# Allegro board sk_s7g2 rev3.0.brd (continued)
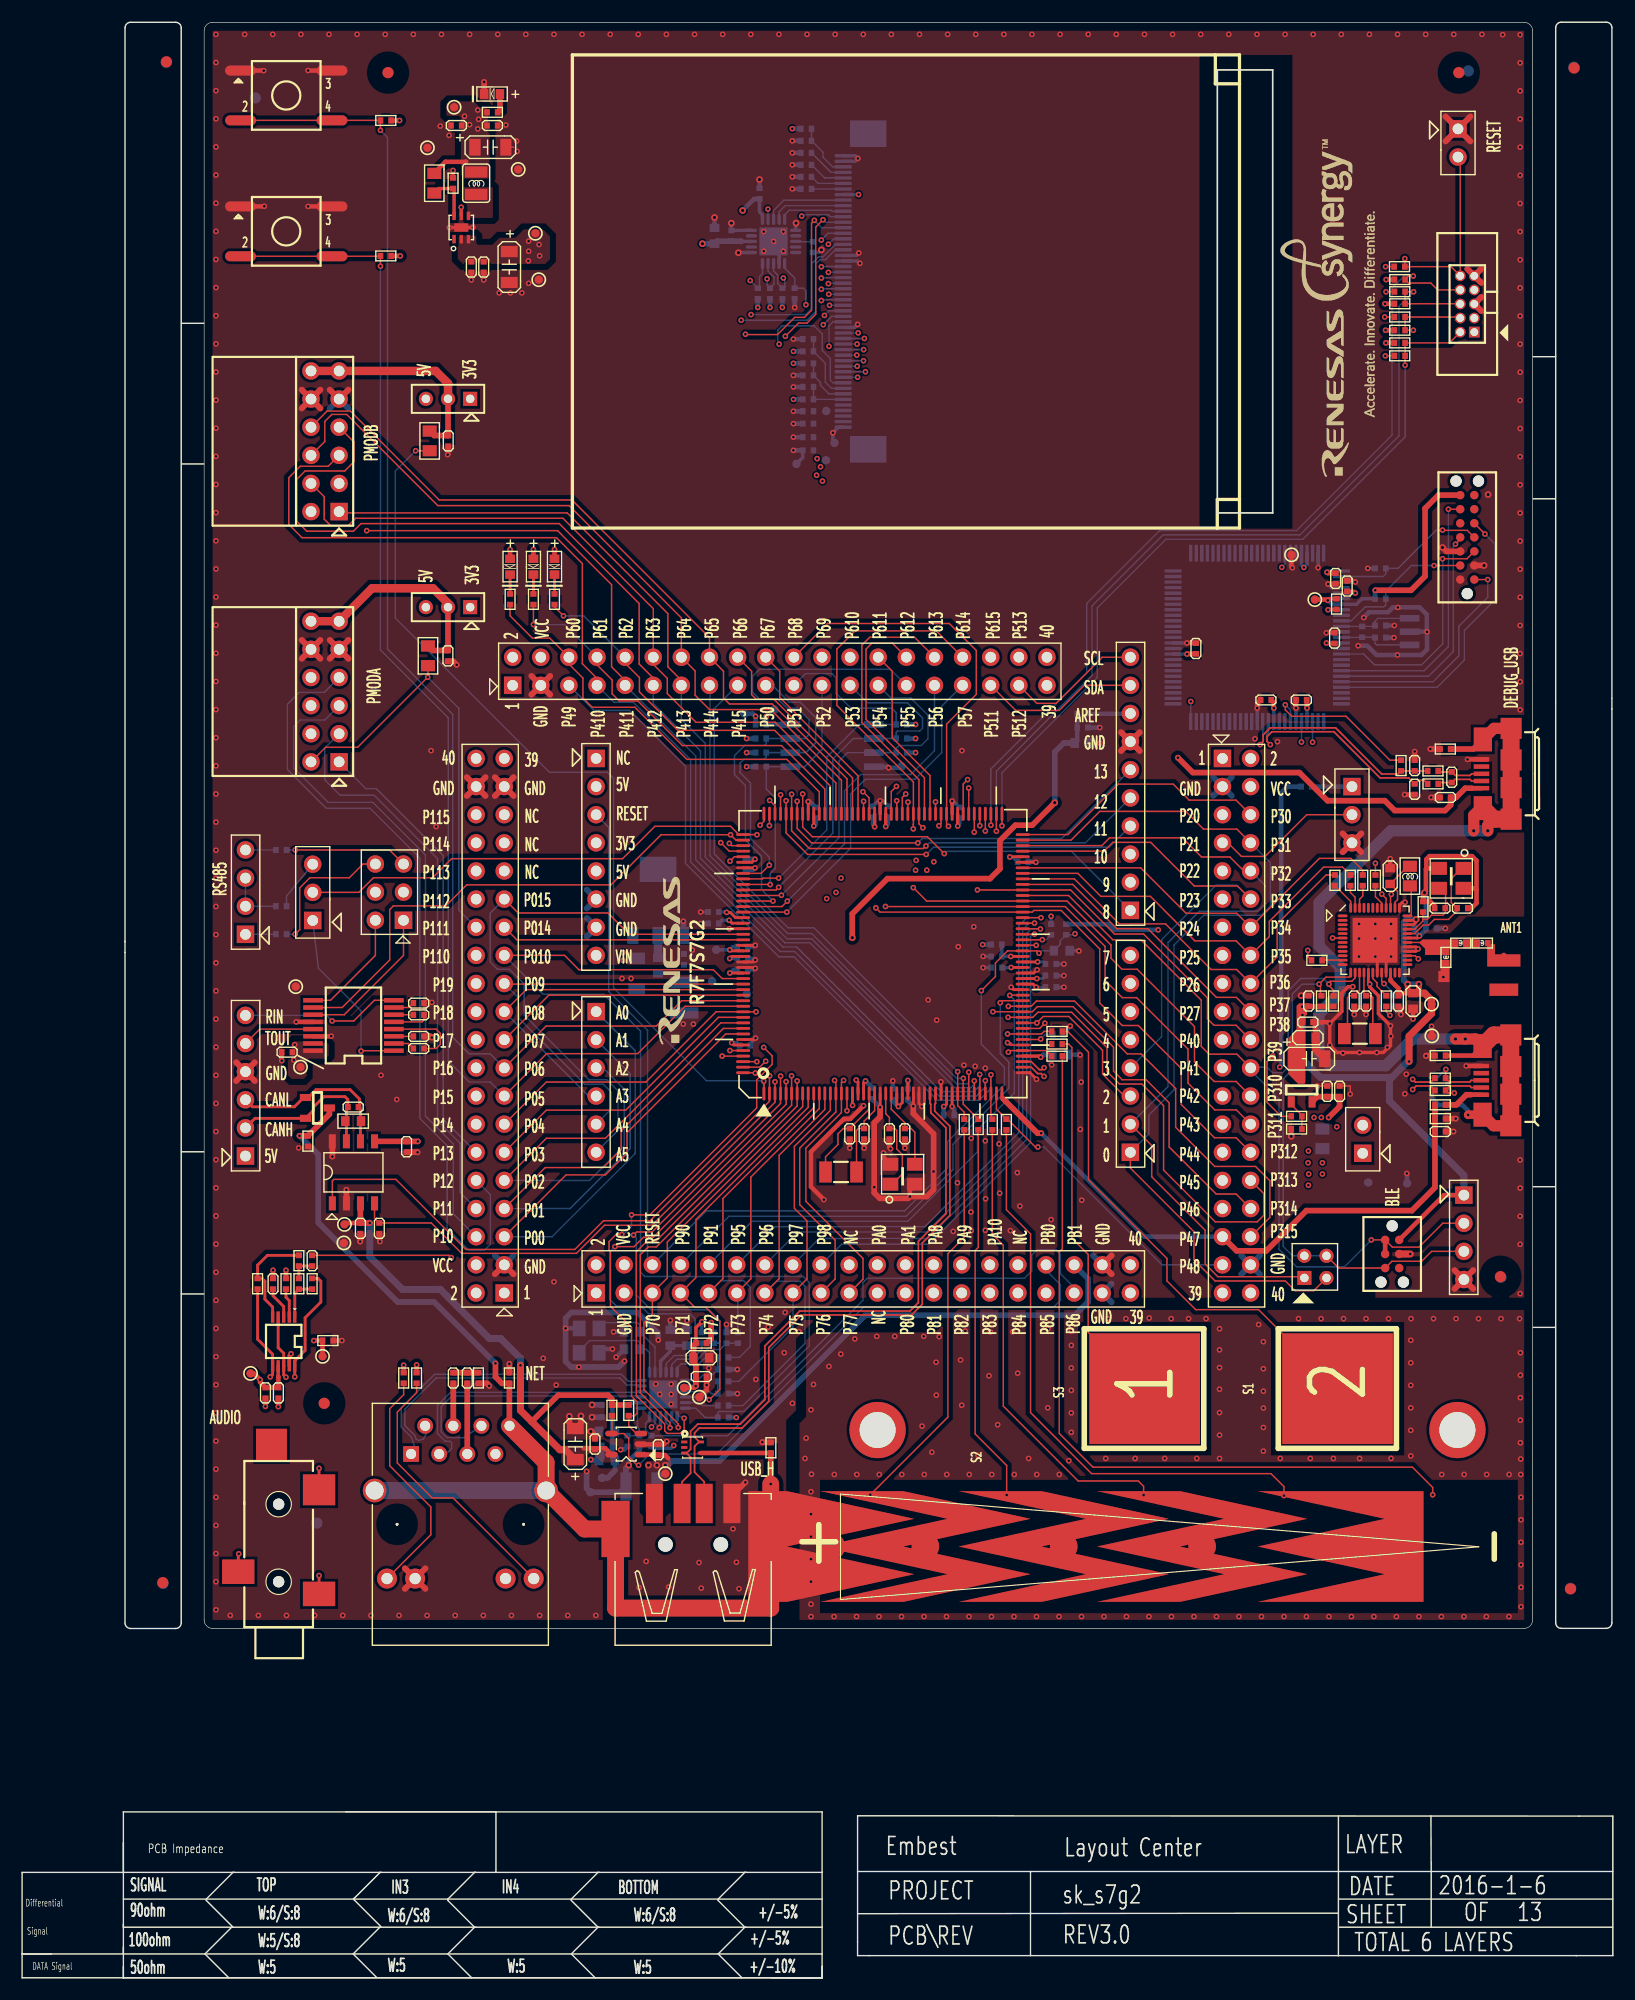
[diagram p0: board, top side]
## Placement (name value [footprint] x y rotation side) (continued)
TP14  tp30  [TP30]  29.11 68.03 270 top
TP15  tp30  [TP30]  52.38 45.14 90 bottom
TP16  tp30  [TP30]  59.8 53.27 90 top
TP17  tp30  [TP30]  61.17 52.43 90 top
TP18  tp30  [TP30]  51.33 43.85 90 bottom
TP19  tp30  [TP30]  20.63 54.57 180 top
TP20  tp30  [TP30]  27.13 56.12 270 top
TP21  tp30  [TP30]  116.77 124.44 270 top
TP22  tp30  [TP30]  114.66 128.48 270 top
TP23  tp30  [TP30]  46.36 157.51 270 top
TP24  tp30  [TP30]  39.02 168.89 270 top
TP25  tp30  [TP30]  46.67 153.32 270 top
TP26  tp30  [TP30]  36.61 165.23 270 top
TP27  tp30  [TP30]  62.33 89.97 0 bottom
TP28  tp30  [TP30]  65.23 114.14 270 bottom
TP29  tp30  [TP30]  121.6 71.81 270 bottom
TP30  tp30  [TP30]  125.1 71.74 0 bottom
TP31  tp30  [TP30]  62.69 92.82 90 bottom
TP32  tp30  [TP30]  65.46 88.83 90 bottom
TP35  tp30  [TP30]  58.1 45.52 0 top
TP36  tp30  [TP30]  44.81 163.28 0 top
U1  LQFP176_24x24mm_pit0_5mm  [LQFP176_24X24MM_PIT0_5MM]  77.76 92.47 0 top
U2  qfn48_1p4a  [QFN48_1P4A]  122.21 93.68 0 top
U3  qfn20_1p5m  [QFN20_1P5M]  67.87 156.78 180 bottom
U4  drl5p5q  [DRL5P5Q]  128.07 80.78 270 bottom
U5  drl5p5q  [DRL5P5Q]  60.56 47.89 270 top
U6  soic8jg  [SOIC8JG]  73.17 111.26 270 bottom
U7  ssop16fg  [SSOP16FG]  29.93 85.98 180 top
U8  soic8ja  [SOIC8JA]  29.93 72.73 0 top
U9  qfn24_1p5m  [QFN24_1P5M]  57.92 52.69 0 bottom
U10  sop10p5h  [SOP10P5H]  23.63 57.46 270 top
U11  lqfp100p5  [LQFP100P5]  111.56 121.02 180 bottom
U12  -  [DFN6_1FN]  39.67 158.03 0 top
U13  sot223p4  [SOT223P4]  57.45 94.11 180 bottom
U14  -  [SOT23_5]  54.56 48.19 90 top
X1  x4s32x25  [X4S32X25]  79.53 72.56 0 top
X2  x2s32x15  [X2S32X15]  73.97 72.76 0 top
X3  x2s32x15  [X2S32X15]  120.83 85.25 0 top
X4  x4s32x25  [X4S32X25]  129.09 99.27 180 top
X5  x4s32x25  [X4S32X25]  51.21 57.54 270 bottom
X6  x3s32x13  [X3S32X13]  125.33 121.55 90 bottom

## Library data of the parts
ANT1 = ANT2_RJC-11K09
C1 C3-C17 C19-C24 C26-C30 C32-C40 C43-C50 C52-C56 C58 C60 C63-C82 C84 C88 C91 C95 C96 C99 C100 C102 C103 C105 C108 C110 C111 = C0402
C2 C18 C25 C31 C51 C57 C59 C61 C62 C94 C106 C109 = C0603
C83 C86 C90 C101 C107 = C1206
C89 C104 = C1210
D1 Q1 = SOT23_123
FB2 = F0603
J1 J8 = H3M
J2 J31 = H2M
J3 = FPC50_2P5
J5 J19 = USBMICRO5_6C
J6 = USBS4_4AL
J7 J26 = H6M
J9 = H2X3MZ
J10 J33 = H4M
J11 = RJ45_13F-64GY_P12_4
J12 J14 = H2X6LMZ_F
J13 J15 = H3P20
J16 = AUDIOS4-2B180X60
J17 = CONS2X7_3J
J18 = H2X5W52JZ
J20-J23 = H2X20MZ
J24 = H10M
J25 J27 = H8M
J32 = H2X2P20Z
J34 = CONS2X3_3J_A
L1 = L0805
L2-L4 = L0402
L5 = L1008
LED1-LED4 = LED0603
MTG1 MTG2 = MHC50D30
R1-R7 R9-R32 R34-R38 R41-R49 R51-R66 R69-R87 R90 R93-R111 R115 R117 R120-R125 = R0402
R50 R114 R119 = R0603
R67 R68 R113 R118 = R0805
S1 S3 = CTSU_S10MM
S2 = CTSU_RX113
S4 S5 = SWS4B60S
TP1-TP6 TP9-TP32 TP35 TP36 = TP30
U1 = LQFP176_24X24MM_PIT0_5MM
U2 = QFN48_1P4A
U3 = QFN20_1P5M
U4 U5 = DRL5P5Q
U6 = SOIC8JG
U7 = SSOP16FG
U8 = SOIC8JA
U9 = QFN24_1P5M
U10 = SOP10P5H
U11 = LQFP100P5
U12 = DFN6_1FN
U13 = SOT223P4
U14 = SOT23_5
X1 X4 X5 = X4S32X25
X2 X3 = X2S32X15
X6 = X3S32X13

## Footprints (pads in the part's own frame, mm; a bottom-side part is the same pattern mirrored in y, then rotated)
ANT2_RJC-11K09
  custom 2.01x3 smd: 1(-1.545,0)
  rect 1.11x2.6 smd: 2(1.545,0)
AUDIOS4-2B180X60
  round 1.016 hole 1.702 unplated: (3.5,0) (10.5,0)
  rect 2.21x2.921 smd: 1(2.4,-3.65) 3(4.4,3.65)
  rect 2.794x2.921 smd: 2(11.8,-3.65)
  rect 2.921x2.794 smd: 10(15.85,0.65)
C0402
  rect 0.508x0.559 smd: 1(-0.483,0) 2(0.483,0)
C0603
  rect 0.762x0.889 smd: 1(-0.711,0) 2(0.711,0)
C1206
  rect 1.016x1.524 smd: 1(-1.397,0) 2(1.397,0)
C1210
  rect 1.016x2.54 smd: 1(-1.397,0) 2(1.397,0)
CONS2X3_3J_A
  round 1.016 hole 1.016 unplated: (-3.81,0) (1.27,1.015) (1.27,-1.015)
  round 0.762 smd: 1(-2.54,-0.635) 2(-2.54,0.635) 3(-1.27,-0.635) 4(-1.27,0.635) 5(0,-0.635) 6(0,0.635)
CONS2X7_3J
  round 1.016 hole 1.016 unplated: (-3.81,0) (6.35,1.015) (6.35,-1.015)
  round 0.762 smd: 1(-2.54,-0.635) 2(-1.27,-0.635) 3(0,-0.635) 4(1.27,-0.635) 5(2.54,-0.635) 6(3.81,-0.635) 7(5.08,-0.635) 8(5.08,0.635) 9(3.81,0.635) 10(2.54,0.635) 11(1.27,0.635) 12(0,0.635) 13(-1.27,0.635) 14(-2.54,0.635)
CTSU_RX113
  custom 10x15 smd: 1(0,-21) 5(0,25)
  custom 10x19 smd: 2(0,-12.5) 3(0,0) 4(0,12.5)
CTSU_S10MM
  rect 10x10 smd: 1(0,0)
DFN6_1FN
  rect 0.305x0.762 smd: 1(-0.65,-1.05) 2(0,-1.05) 3(0.65,-1.05) 4(0.65,1.05) 5(0,1.05) 6(-0.65,1.05)
  rect 1.27x0.762 smd: 7(0,0)
DRL5P5Q
  rect 0.254x0.559 smd: 1(-0.5,-0.75) 2(0,-0.75) 3(0.5,-0.75) 4(0.5,0.75) 5(-0.5,0.75)
F0603
  rect 0.762x0.889 smd: 1(-0.711,0) 2(0.711,0)
FPC50_2P5
  rect 1.524x0.305 smd: 1(0,12.25) 2(0,11.75) 3(0,11.25) 4(0,10.75) 5(0,10.25) 6(0,9.75) 7(0,9.25) 8(0,8.75) 9(0,8.25) 10(0,7.75) 11(0,7.25) 12(0,6.75) 13(0,6.25) 14(0,5.75) 15(0,5.25) 16(0,4.75) 17(0,4.25) 18(0,3.75) 19(0,3.25) 20(0,2.75) 21(0,2.25) 22(0,1.75) 23(0,1.25) 24(0,0.75) 25(0,0.25) 26(0,-0.25) 27(0,-0.75) 28(0,-1.25) 29(0,-1.75) 30(0,-2.25) 31(0,-2.75) 32(0,-3.25) 33(0,-3.75) 34(0,-4.25) 35(0,-4.75) 36(0,-5.25) 37(0,-5.75) 38(0,-6.25) 39(0,-6.75) 40(0,-7.25) 41(0,-7.75) 42(0,-8.25) 43(0,-8.75) 44(0,-9.25) 45(0,-9.75) 46(0,-10.25) 47(0,-10.75) 48(0,-11.25) 49(0,-11.75) 50(0,-12.25)
  rect 3.302x2.413 smd: 51(-2.25,14.25) 52(-2.25,-14.25)
H2M
  rect 1.575x1.575 hole 0.965: 1(-1.27,0)
  round 1.575 hole 0.965: 2(1.27,0)
H2X2P20Z
  rect 1.27x1.27 hole 0.762: 1(-3,-1)
  round 1.27 hole 0.762: 2(-3,1) 3(-1,-1) 4(-1,1)
H2X3MZ
  rect 1.575x1.575 hole 0.965: 1(-2.54,-1.27)
  round 1.575 hole 0.965: 2(-2.54,1.27) 3(0,-1.27) 4(0,1.27) 5(2.54,-1.27) 6(2.54,1.27)
H2X5W52JZ
  rect 0.965x0.965 hole 0.711: 1(-2.54,-0.635)
  round 0.965 hole 0.711: 2(-2.54,0.635) 3(-1.27,-0.635) 4(-1.27,0.635) 5(0,-0.635) 6(0,0.635) 7(1.27,-0.635) 8(1.27,0.635) 9(2.54,-0.635) 10(2.54,0.635)
H2X6LMZ_F
  rect 1.575x1.575 hole 0.965: 1(-6.35,-1.27)
  round 1.575 hole 0.965: 2(-6.35,1.27) 3(-3.81,-1.27) 4(-3.81,1.27) 5(-1.27,-1.27) 6(-1.27,1.27) 7(1.27,-1.27) 8(1.27,1.27) 9(3.81,-1.27) 10(3.81,1.27) 11(6.35,-1.27) 12(6.35,1.27)
H2X20MZ
  rect 1.575x1.575 hole 0.965: 1(-24.13,-1.27)
  round 1.575 hole 0.965: 2(-24.13,1.27) 3(-21.59,-1.27) 4(-21.59,1.27) 5(-19.05,-1.27) 6(-19.05,1.27) 7(-16.51,-1.27) 8(-16.51,1.27) 9(-13.97,-1.27) 10(-13.97,1.27) 11(-11.43,-1.27) 12(-11.43,1.27) 13(-8.89,-1.27) 14(-8.89,1.27) 15(-6.35,-1.27) 16(-6.35,1.27) 17(-3.81,-1.27) 18(-3.81,1.27) 19(-1.27,-1.27) 20(-1.27,1.27) 21(1.27,-1.27) 22(1.27,1.27) 23(3.81,-1.27) 24(3.81,1.27) 25(6.35,-1.27) 26(6.35,1.27) 27(8.89,-1.27) 28(8.89,1.27) 29(11.43,-1.27) 30(11.43,1.27) 31(13.97,-1.27) 32(13.97,1.27) 33(16.51,-1.27) 34(16.51,1.27) 35(19.05,-1.27) 36(19.05,1.27) 37(21.59,-1.27) 38(21.59,1.27) 39(24.13,-1.27) 40(24.13,1.27)
H3M
  rect 1.575x1.575 hole 0.965: 1(-2.54,0)
  round 1.575 hole 0.965: 2(0,0) 3(2.54,0)
H3P20
  rect 1.27x1.27 hole 0.762: 1(0,-2)
  round 1.27 hole 0.762: 2(0,-0.001) 3(0,1.999)
H4M
  rect 1.575x1.575 hole 0.965: 1(-3.81,0)
  round 1.575 hole 0.965: 2(-1.27,0) 3(1.27,0) 4(3.81,0)
H6M
  rect 1.575x1.575 hole 0.965: 1(-6.35,0)
  round 1.575 hole 0.965: 2(-3.81,0) 3(-1.27,0) 4(1.27,0) 5(3.81,0) 6(6.35,0)
H8M
  rect 1.575x1.575 hole 0.965: 1(-8.89,0)
  round 1.575 hole 0.965: 2(-6.35,0) 3(-3.81,0) 4(-1.27,0) 5(1.27,0) 6(3.81,0) 7(6.35,0) 8(8.89,0)
H10M
  rect 1.575x1.575 hole 0.965: 1(-11.43,0)
  round 1.575 hole 0.965: 2(-8.89,0) 3(-6.35,0) 4(-3.81,0) 5(-1.27,0) 6(1.27,0) 7(3.81,0) 8(6.35,0) 9(8.89,0) 10(11.43,0)
L0402
  rect 0.508x0.559 smd: 1(-0.483,0) 2(0.483,0)
L0805
  rect 1.016x1.27 smd: 1(-0.889,0) 2(0.889,0)
L1008
  rect 1.016x2.032 smd: 1(-1.016,0) 2(1.016,0)
LED0603
  rect 0.762x0.889 smd: 1(-0.711,0) 2(0.711,0)
LQFP100P5
  rect 1.524x0.305 smd: 1(-7.6,6) 2(-7.6,5.5) 3(-7.6,5) 4(-7.6,4.5) 5(-7.6,4) 6(-7.6,3.5) 7(-7.6,3) 8(-7.6,2.5) 9(-7.6,2) 10(-7.6,1.5) 11(-7.6,1) 12(-7.6,0.5) 13(-7.6,0) 14(-7.6,-0.5) 15(-7.6,-1) 16(-7.6,-1.5) 17(-7.6,-2) 18(-7.6,-2.5) 19(-7.6,-3) 20(-7.6,-3.5) 21(-7.6,-4) 22(-7.6,-4.5) 23(-7.6,-5) 24(-7.6,-5.5) 25(-7.6,-6) 51(7.6,-6) 52(7.6,-5.5) 53(7.6,-5) 54(7.6,-4.5) 55(7.6,-4) 56(7.6,-3.5) 57(7.6,-3) 58(7.6,-2.5) 59(7.6,-2) 60(7.6,-1.5) 61(7.6,-1) 62(7.6,-0.5) 63(7.6,0) 64(7.6,0.5) 65(7.6,1) 66(7.6,1.5) 67(7.6,2) 68(7.6,2.5) 69(7.6,3) 70(7.6,3.5) 71(7.6,4) 72(7.6,4.5) 73(7.6,5) 74(7.6,5.5) 75(7.6,6)
  rect 0.305x1.524 smd: 26(-6,-7.6) 27(-5.5,-7.6) 28(-5,-7.6) 29(-4.5,-7.6) 30(-4,-7.6) 31(-3.5,-7.6) 32(-3,-7.6) 33(-2.5,-7.6) 34(-2,-7.6) 35(-1.5,-7.6) 36(-1,-7.6) 37(-0.5,-7.6) 38(0,-7.6) 39(0.5,-7.6) 40(1,-7.6) 41(1.5,-7.6) 42(2,-7.6) 43(2.5,-7.6) 44(3,-7.6) 45(3.5,-7.6) 46(4,-7.6) 47(4.5,-7.6) 48(5,-7.6) 49(5.5,-7.6) 50(6,-7.6) 76(6,7.6) 77(5.5,7.6) 78(5,7.6) 79(4.5,7.6) 80(4,7.6) 81(3.5,7.6) 82(3,7.6) 83(2.5,7.6) 84(2,7.6) 85(1.5,7.6) 86(1,7.6) 87(0.5,7.6) 88(0,7.6) 89(-0.5,7.6) 90(-1,7.6) 91(-1.5,7.6) 92(-2,7.6) 93(-2.5,7.6) 94(-3,7.6) 95(-3.5,7.6) 96(-4,7.6) 97(-4.5,7.6) 98(-5,7.6) 99(-5.5,7.6) 100(-6,7.6)
LQFP176_24X24MM_PIT0_5MM
  oval 0.254x1.27 smd: 1(-10.75,-12.627) 2(-10.25,-12.627) 3(-9.75,-12.627) 4(-9.25,-12.627) 5(-8.75,-12.627) 6(-8.25,-12.627) 7(-7.75,-12.627) 8(-7.25,-12.627) 9(-6.75,-12.627) 10(-6.25,-12.627) 11(-5.75,-12.627) 12(-5.25,-12.627) 13(-4.75,-12.627) 14(-4.25,-12.627) 15(-3.75,-12.627) 16(-3.25,-12.627) 17(-2.75,-12.627) 18(-2.25,-12.627) 19(-1.75,-12.627) 20(-1.25,-12.627) 21(-0.75,-12.627) 22(-0.25,-12.627) 23(0.25,-12.627) 24(0.75,-12.627) 25(1.25,-12.627) 26(1.75,-12.627) 27(2.25,-12.627) 28(2.75,-12.627) 29(3.25,-12.627) 30(3.75,-12.627) 31(4.25,-12.627) 32(4.75,-12.627) 33(5.25,-12.627) 34(5.75,-12.627) 35(6.25,-12.627) 36(6.75,-12.627) 37(7.25,-12.627) 38(7.75,-12.627) 39(8.25,-12.627) 40(8.75,-12.627) 41(9.25,-12.627) 42(9.75,-12.627) 43(10.25,-12.627) 44(10.75,-12.627) 89(10.75,12.627) 90(10.25,12.627) 91(9.75,12.627) 92(9.25,12.627) 93(8.75,12.627) 94(8.25,12.627) 95(7.75,12.627) 96(7.25,12.627) 97(6.75,12.627) 98(6.25,12.627) 99(5.75,12.627) 100(5.25,12.627) 101(4.75,12.627) 102(4.25,12.627) 103(3.75,12.627) 104(3.25,12.627) 105(2.75,12.627) 106(2.25,12.627) 107(1.75,12.627) 108(1.25,12.627) 109(0.75,12.627) 110(0.25,12.627) 111(-0.25,12.627) 112(-0.75,12.627) 113(-1.25,12.627) 114(-1.75,12.627) 115(-2.25,12.627) 116(-2.75,12.627) 117(-3.25,12.627) 118(-3.75,12.627) 119(-4.25,12.627) 120(-4.75,12.627) 121(-5.25,12.627) 122(-5.75,12.627) 123(-6.25,12.627) 124(-6.75,12.627) 125(-7.25,12.627) 126(-7.75,12.627) 127(-8.25,12.627) 128(-8.75,12.627) 129(-9.25,12.627) 130(-9.75,12.627) 131(-10.25,12.627) 132(-10.75,12.627)
  oval 1.27x0.254 smd: 45(12.627,-10.75) 46(12.627,-10.25) 47(12.627,-9.75) 48(12.627,-9.25) 49(12.627,-8.75) 50(12.627,-8.25) 51(12.627,-7.75) 52(12.627,-7.25) 53(12.627,-6.75) 54(12.627,-6.25) 55(12.627,-5.75) 56(12.627,-5.25) 57(12.627,-4.75) 58(12.627,-4.25) 59(12.627,-3.75) 60(12.627,-3.25) 61(12.627,-2.75) 62(12.627,-2.25) 63(12.627,-1.75) 64(12.627,-1.25) 65(12.627,-0.75) 66(12.627,-0.25) 67(12.627,0.25) 68(12.627,0.75) 69(12.627,1.25) 70(12.627,1.75) 71(12.627,2.25) 72(12.627,2.75) 73(12.627,3.25) 74(12.627,3.75) 75(12.627,4.25) 76(12.627,4.75) 77(12.627,5.25) 78(12.627,5.75) 79(12.627,6.25) 80(12.627,6.75) 81(12.627,7.25) 82(12.627,7.75) 83(12.627,8.25) 84(12.627,8.75) 85(12.627,9.25) 86(12.627,9.75) 87(12.627,10.25) 88(12.627,10.75) 133(-12.627,10.75) 134(-12.627,10.25) 135(-12.627,9.75) 136(-12.627,9.25) 137(-12.627,8.75) 138(-12.627,8.25) 139(-12.627,7.75) 140(-12.627,7.25) 141(-12.627,6.75) 142(-12.627,6.25) 143(-12.627,5.75) 144(-12.627,5.25) 145(-12.627,4.75) 146(-12.627,4.25) 147(-12.627,3.75) 148(-12.627,3.25) 149(-12.627,2.75) 150(-12.627,2.25) 151(-12.627,1.75) 152(-12.627,1.25) 153(-12.627,0.75) 154(-12.627,0.25) 155(-12.627,-0.25) 156(-12.627,-0.75) 157(-12.627,-1.25) 158(-12.627,-1.75) 159(-12.627,-2.25) 160(-12.627,-2.75) 161(-12.627,-3.25) 162(-12.627,-3.75) 163(-12.627,-4.25) 164(-12.627,-4.75) 165(-12.627,-5.25) 166(-12.627,-5.75) 167(-12.627,-6.25) 168(-12.627,-6.75) 169(-12.627,-7.25) 170(-12.627,-7.75) 171(-12.627,-8.25) 172(-12.627,-8.75) 173(-12.627,-9.25) 174(-12.627,-9.75) 175(-12.627,-10.25) 176(-12.627,-10.75)
MHC50D30
  round 5.08 hole 3.251: 1(0,0)
QFN20_1P5M
  oval 1.016x0.305 smd: 1(-2,1) 2(-2,0.5) 3(-2,0) 4(-2,-0.5) 5(-2,-1) 11(2,-1) 12(2,-0.5) 13(2,0) 14(2,0.5) 15(2,1)
  oval 0.305x1.016 smd: 6(-1,-2) 7(-0.5,-2) 8(0,-2) 9(0.5,-2) 10(1,-2) 16(1,2) 17(0.5,2) 18(0,2) 19(-0.5,2) 20(-1,2)
  rect 2.54x2.54 smd: 21(0,0)
QFN24_1P5M
  oval 1.016x0.305 smd: 1(-2,1.25) 2(-2,0.75) 3(-2,0.25) 4(-2,-0.25) 5(-2,-0.75) 6(-2,-1.25) 13(2,-1.25) 14(2,-0.75) 15(2,-0.25) 16(2,0.25) 17(2,0.75) 18(2,1.25)
  oval 0.305x1.016 smd: 7(-1.25,-2) 8(-0.75,-2) 9(-0.25,-2) 10(0.25,-2) 11(0.75,-2) 12(1.25,-2) 19(1.25,2) 20(0.75,2) 21(0.25,2) 22(-0.25,2) 23(-0.75,2) 24(-1.25,2)
  rect 2.54x2.54 smd: 25(0,0)
QFN48_1P4A
  oval 0.889x0.254 smd: 1(-2.925,2.2) 2(-2.925,1.8) 3(-2.925,1.4) 4(-2.925,1) 5(-2.925,0.6) 6(-2.925,0.2) 7(-2.925,-0.2) 8(-2.925,-0.6) 9(-2.925,-1) 10(-2.925,-1.4) 11(-2.925,-1.8) 12(-2.925,-2.2) 25(2.925,-2.2) 26(2.925,-1.8) 27(2.925,-1.4) 28(2.925,-1) 29(2.925,-0.6) 30(2.925,-0.2) 31(2.925,0.2) 32(2.925,0.6) 33(2.925,1) 34(2.925,1.4) 35(2.925,1.8) 36(2.925,2.2)
  oval 0.254x0.889 smd: 13(-2.2,-2.925) 14(-1.8,-2.925) 15(-1.4,-2.925) 16(-1,-2.925) 17(-0.6,-2.925) 18(-0.2,-2.925) 19(0.2,-2.925) 20(0.6,-2.925) 21(1,-2.925) 22(1.4,-2.925) 23(1.8,-2.925) 24(2.2,-2.925) 37(2.2,2.925) 38(1.8,2.925) 39(1.4,2.925) 40(1,2.925) 41(0.6,2.925) 42(0.2,2.925) 43(-0.2,2.925) 44(-0.6,2.925) 45(-1,2.925) 46(-1.4,2.925) 47(-1.8,2.925) 48(-2.2,2.925)
  rect 4.064x4.064 smd: 49(0,0)
R0402
  rect 0.508x0.559 smd: 1(-0.483,0) 2(0.483,0)
R0603
  rect 0.762x0.889 smd: 1(-0.711,0) 2(0.711,0)
R0805
  rect 1.016x1.27 smd: 1(-0.889,0) 2(0.889,0)
RJ45_13F-64GY_P12_4
  round 0.254 hole 3.2 unplated: (-5.715,0) (5.715,0)
  rect 1.422x1.422 hole 0.914: 1(4.45,-6.35)
  round 1.422 hole 0.914: 2(3.18,-8.89) 3(1.91,-6.35) 4(0.64,-8.89) 5(-0.63,-6.35) 6(-1.9,-8.89) 7(-3.17,-6.35) 8(-4.44,-8.89)
  round 1.803 hole 1.016: 9(6.625,4.9) 10(4.085,4.9) 11(-4.085,4.9) 12(-6.625,4.9)
  round 2.134 hole 1.626: 13(7.745,-3.05) 14(-7.745,-3.05)
SOIC8JA
  rect 0.635x1.27 smd: 1(-1.905,-2.8) 2(-0.635,-2.8) 3(0.635,-2.8) 4(1.905,-2.8) 5(1.905,2.8) 6(0.635,2.8) 7(-0.635,2.8) 8(-1.905,2.8)
SOIC8JG
  rect 0.61x1.778 smd: 1(-1.905,-3.772) 2(-0.635,-3.772) 3(0.635,-3.772) 4(1.905,-3.772) 5(1.905,3.772) 6(0.635,3.772) 7(-0.635,3.772) 8(-1.905,3.772)
SOP10P5H
  rect 1.016x0.305 smd: 1(-2.2,1) 2(-2.2,0.5) 3(-2.2,0) 4(-2.2,-0.5) 5(-2.2,-1) 6(2.2,-1) 7(2.2,-0.5) 8(2.2,0) 9(2.2,0.5) 10(2.2,1)
SOT23_5
  oval 0.508x1.143 smd: 1(-0.95,-1.325) 2(0,-1.325) 3(0.95,-1.325) 4(0.95,1.325) 5(-0.95,1.325)
SOT23_123
  rect 0.635x1.016 smd: 1(-0.94,-1.079) 2(0.94,-1.079) 3(0,1.079)
SOT223P4
  rect 1.016x1.524 smd: 1(-2.286,0) 2(0,0) 3(2.286,0)
  rect 3.302x2.286 smd: 4(0,5.969)
SSOP16FG
  rect 1.778x0.406 smd: 1(-3.65,2.275) 2(-3.65,1.625) 3(-3.65,0.975) 4(-3.65,0.325) 5(-3.65,-0.325) 6(-3.65,-0.975) 7(-3.65,-1.625) 8(-3.65,-2.275) 9(3.65,-2.275) 10(3.65,-1.625) 11(3.65,-0.975) 12(3.65,-0.325) 13(3.65,0.325) 14(3.65,0.975) 15(3.65,1.625) 16(3.65,2.275)
SWS4B60S
  oval 2.794x0.914 smd: 1(-4.131,2.25) 2(-4.131,-2.25) 3(4.131,2.25) 4(4.131,-2.25)
TP30
  round 0.762 smd: 1(0,0)
unnamed#2
  round 1.016 smd: 1(0,0)
USBMICRO5_6C
  rect 0.406x1.397 smd: 1(-1.3,4.125) 2(-0.65,4.125) 3(0,4.125) 4(0.65,4.125) 5(1.3,4.125)
  rect 2.159x1.651 smd: 6(-3.1,4) 7(3.1,4)
  rect 1.905x1.905 smd: 8(-4.1,1.45) 9(-1.25,1.45) 10(1.25,1.45) 11(4.1,1.45)
USBS4_4AL
  round 1.321 hole 1.321 unplated: (-2.5,0) (2.5,0)
  rect 1.524x3.556 smd: 1(-3.5,3.7) 2(-1,3.7) 3(1,3.7) 4(3.5,3.7)
  rect 2.54x5.08 smd: 5(-7.007,1.4) 6(7.007,1.4)
X2S32X15
  rect 1.143x1.905 smd: 1(-1.4,0) 2(1.4,0)
X3S32X13
  rect 0.61x1.778 smd: 1(-1.2,0) 2(0,0) 3(1.2,0)
X4S32X25
  rect 1.422x1.168 smd: 1(-1.1,-0.9) 2(1.1,-0.9) 3(1.1,0.9) 4(-1.1,0.9)

## Nets
+3V3: C34.1 C35.1 C36.1 C37.1 C38.1 C43.1 C44.2 C49.1 C66.1 C67.1 C70.1 C71.1 C72.1 C73.1 C74.1 C86.1 C88.1 C96.1 C108.1 C109.1 C110.1 C111.1 FB2.1 J3.8 J3.46 J3.47 J3.48 J3.49 J13.1 J15.1 J17.8 J18.1 J20.4 J21.4 J22.4 J23.4 J25.4 J31.2 L5.2 LED1.1 LED2.1 LED3.1 Q1.2 R7.1 R19.1 R20.1 R22.1 R23.1 R30.1 R31.1 R32.1 R46.1 R47.1 R51.1 R52.1 R69.1 R75.1 R76.1 R80.1 R83.1 R90.1 R93.1 R94.1 R95.1 R96.1 R97.1 R98.1 R103.1 R104.1 R105.1 R106.2 R113.1 R118.1 TP3.1 TP4.1 TP9.1 TP11.1 TP19.1 TP21.1 TP24.1 U3.13 U3.16 U6.8 U7.15 U7.16 U8.5 U10.7 U11.1 U11.6 U11.7 U11.14 U11.29 U11.35 U11.60 U11.96 U11.97
+3V3_BLE: C24.2 C28.1 C30.1 C31.1 C105.1 C106.1 C107.1 J33.1 J34.2 Q1.3 R15.1 R16.1 TP1.1 U2.22 U2.34 U2.35
+3V3_MCU: C2.1 C3.1 C4.1 C5.1 C6.1 C7.1 C8.1 C9.1 C10.1 C11.1 C12.1 J31.1 R1.1 R2.1 R3.1 R113.2 TP29.1 U1.18 U1.25 U1.26 U1.34 U1.48 U1.61 U1.84 U1.97 U1.110 U1.123 U1.138 U1.149 U1.171
+3V3ANA: C14.1 C15.1 C16.1 C89.1 C91.1 C94.1 C95.1 R114.2 R115.1 TP27.1 TP31.1 U1.154 U1.155 U1.158
+5V: C50.1 C79.1 C82.1 C83.1 C84.1 C90.1 C101.1 C102.1 J7.1 J13.3 J15.3 J19.1 J25.2 J25.5 R120.1 R122.1 TP14.1 TP23.1 U8.3 U12.2 U12.3 U13.3 U14.5
AGND: C66.2 C67.2 C69.1 R74.1 TP20.1 U10.9
GND_ETH: C58.1 C60.2 R49.2
GND_POWER: C1.1 C2.2 C3.2 C4.2 C5.2 C6.2 C7.2 C8.2 C9.2 C10.2 C11.2 C12.2 C13.1 C14.2 C15.2 C16.2 C17.2 C18.2 C19.2 C20.2 C21.2 C22.2 C23.2 C24.1 C25.2 C26.2 C27.2 C29.2 C30.2 C31.2 C34.2 C35.2 C36.2 C37.2 C38.2 C39.2 C40.2 C43.2 C44.1 C46.2 C48.2 C49.2 C50.2 C51.2 C52.2 C53.2 C54.2 C55.2 C56.2 C57.2 C59.2 C61.2 C62.2 C63.2 C64.2 C65.2 C70.2 C71.2 C72.2 C73.2 C74.2 C76.2 C77.2 C78.2 C79.2 C80.2 C81.2 C82.2 C83.2 C84.2 C86.2 C88.2 C89.2 C90.2 C91.2 C94.2 C95.2 C96.2 C99.2 C101.2 C102.2 C103.2 C104.2 C105.2 C106.2 C107.2 C108.2 C109.2 C110.2 C111.2 J1.3 J2.1 J3.1 J3.2 J3.19 J3.20 J3.32 J3.50 J5.5 J6.4 J7.4 J11.10 J12.9 J12.10 J14.9 J14.10 J17.2 J17.12 J17.14 J18.3 J18.5 J18.9 J19.5 J20.3 J20.37 J20.38 J21.3 J21.38 J22.3 J23.3 J23.37 J23.38 J24.7 J25.6 J25.7 J33.4 J34.4 L4.2 LED4.2 R4.2 R5.2 R6.2 R9.2 R18.2 R21.2 R24.2 R25.2 R26.2 R27.2 R28.2 R29.2 R37.2 R38.1 R41.1 R42.2 R48.2 R49.1 R50.2 R57.2 R58.2 R59.2 R74.2 R81.2 R86.1 R111.1 R117.2 R124.2 R125.2 S4.1 S4.3 S5.1 S5.3 TP2.1 TP5.1 TP6.1 TP10.1 TP12.1 TP13.1 TP17.1 TP18.1 TP22.1 TP25.1 TP26.1 TP28.1 TP30.1 TP32.1 TP36.1 U1.22 U1.28 U1.29 U1.30 U1.33 U1.35 U1.45 U1.60 U1.63 U1.83 U1.98 U1.111 U1.124 U1.139 U1.150 U1.153 U1.156 U1.157 U1.170 U2.17 U2.19 U2.21 U2.28 U2.29 U2.37 U2.49 U3.1 U3.7 U3.11 U3.15 U3.21 U6.4 U7.12 U7.14 U8.2 U8.8 U9.22 U9.25 U11.3 U11.4 U11.12 U11.31 U11.38 U11.62 U11.94 U11.99 U12.5 U12.7 U13.1 U14.2 X1.2 X1.4 X5.2 X5.4 X6.2
GND_RF: C28.2 C32.2 C33.2 R111.2 R121.2 U2.31 X4.2 X4.4
VDD_ENET: C51.1 C52.1 C53.1 FB2.2 R46.2 TP15.1 U9.2
VDD_IO: C56.1 C57.1 R47.2 R53.1 R54.1 R55.1 R56.1 TP16.1 U9.14
AREF: J24.8 R115.2
CANH: C100.1 D1.2 J7.2 R119.2 U8.7
CANL: C100.2 D1.1 J7.3 R119.1 U8.6
CRS_RV: R57.1 R102.1 U9.15
DCLIN: C25.1 L1.2 U2.38
DCLOUT: L1.1 U2.36
FGND: D1.3 J5.6 J5.7 J5.8 J5.9 J5.10 J5.11 J6.5 J6.6 J11.8 J11.13 J11.14 J19.6 J19.7 J19.8 J19.9 J19.10 J19.11 R38.2 R41.2 R42.1 R48.1 R86.2 U4.4 U5.4
JEMLE: J17.4 R81.1 U11.2
JRES: J17.13 R80.2 U11.10
JTCK: J17.1 U11.21
JTDI: J17.11 U11.20
JTDO: J17.5 U11.22
JTMS: J17.9 U11.19
JTRST: J17.3 U11.16
LCD_IM0: J3.45 R20.2 R29.1
LCD_IM1: J3.44 R19.2 R28.1
LCD_IM2: J3.43 R23.2 R27.1
LCD_IM3: J3.3 R22.2 R26.1
LED1/SPEED: J11.11 U9.23
P0_0: J20.5 J26.1 U1.169
P0_1: J20.7 J26.2 U1.168
P0_2: J20.9 J26.3 U1.167
P0_3: J20.11 U1.166
P0_4: J20.13 R32.2 U1.165 U3.8
P0_5: J20.15 R76.2 S5.2 S5.4 U1.164
P0_6: J20.17 R75.2 S4.2 S4.4 U1.163
P0_7: J20.19 U1.162
P0_8: J20.21 J26.4 U1.161
P0_9: J20.23 J26.5 U1.160
P0_10: J20.25 R53.2 U1.159 U9.18
P0_14: C68.1 J20.27 U1.152
P0_15: J20.29 J26.6 U1.151
P1_0: J3.18 J12.5 J20.6 U1.132
P1_1: J3.17 J12.3 J20.8 U1.131
P1_2: J3.14 J12.7 J20.10 U1.130
P1_3: J12.1 J20.12 U1.129
P1_4: J20.14 J24.4 U1.128
P1_5: J20.16 J24.5 U1.127
P1_6: J20.18 J24.6 U1.126
P1_7: J20.20 J24.1 U1.125
P1_8: J18.2 J20.22 R106.1 R108.1 U1.89
P1_9: J18.6 J20.24 R104.2 R109.1 U1.90
P1_10: J18.8 J20.26 R103.2 U1.91
P1_11: J12.2 J20.28 R67.2 U1.92
P1_12: J20.30 J27.5 U1.93
P1_13: J20.32 R123.1 U1.94
P1_14: J3.16 J20.34 U1.95
P1_15: J3.15 J20.36 U1.96
P2_0: J21.5 R2.2 U1.69
P2_1/MD: J1.2 J21.7 U1.68
P2_2: J21.9 J27.3 U1.54
P2_3: J21.11 U1.53
P2_4: J21.13 R60.1 U1.52
P2_5: C63.1 J21.15 U1.51
P2_6: J21.17 R64.1 U1.50
P2_7: J21.19 R61.1 U1.49
P3_0: J18.4 J21.6 R105.2 R107.1 U1.88
P3_1: J21.8 J27.1 J32.3 U1.87
P3_2: J21.10 J27.2 J32.1 U1.86
P3_3: J21.12 J27.4 U1.85
P3_4: J21.14 R12.2 U1.82
P3_5: J21.16 R11.2 U1.81
P3_6: J21.18 R10.2 U1.80
P3_7: J21.20 R13.2 U1.79
P3_8: J21.22 R120.2 U1.78 U14.3
P3_9: J21.24 J33.2 J34.1 J34.3 R16.2 U1.77 U2.14
P3_10: J12.4 J21.26 U1.76
P3_11: J12.6 J21.28 U1.75
P3_12: J12.8 J21.30 U1.74
P3_13: J3.40 J21.32 U1.55
P3_14: J3.41 J21.34 U1.56
P3_15: J3.38 J21.36 U1.57
P4_0: J14.2 J21.21 R68.2 U1.1
P4_1: J21.23 U1.2 U8.1
P4_2: C99.1 J21.25 U1.3 U8.4
P4_3: J21.27 R55.2 U1.4 U9.11
P4_4: J21.29 R56.2 U1.5 U9.10
P4_5: J21.31 U1.6 U9.19
P4_6: J21.33 U1.7 U9.21
P4_7: C40.1 J21.35 R34.1 R37.1 U1.44
P4_8: J21.37 R62.1 U1.43
P4_9: J22.5 R63.1 U1.42
P4_10: J14.5 J22.7 U1.41
P4_11: J14.3 J22.9 U1.40
P4_12: J14.7 J22.11 U1.39
P4_13: J14.1 J22.13 U1.38
P4_14: J22.15 R65.1 U1.37
P4_15: J22.17 R66.1 U1.36
P5_0: J22.19 R94.2 U1.140 U6.6
P5_1: J22.21 R93.2 U1.141 U6.1
P5_2: J22.23 R95.2 U1.142 U6.5
P5_3: J22.25 R96.2 U1.143 U6.2
P5_4: J22.27 R97.2 U1.144 U6.3
P5_5: J22.29 R98.2 U1.145 U6.7
P5_6: J22.31 J24.2 U1.146
P5_7: J22.33 J24.3 U1.147
P5_11: J22.35 J24.9 R30.2 U1.176 U3.9
P5_12: J22.37 J24.10 R31.2 U1.175 U3.10
P5_13: J22.38 U1.174
P6_0: J22.6 R77.1 U1.122
P6_1: J22.8 R78.1 U1.121
P6_2: J22.10 R79.1 U1.120
P6_3: J14.4 J22.12 U1.119
P6_4: J14.6 J22.14 U1.118
P6_5: J14.8 J22.16 U1.117
P6_6: J3.24 J22.18 U1.116
P6_7: J3.25 J22.20 U1.115
P6_8: J22.22 J27.6 U1.99
P6_9: J22.24 R125.1 U1.100 U3.6
P6_10: J3.42 J22.26 U1.101
P6_11: J3.13 J22.28 U1.102
P6_12: J22.30 U1.103
P6_13: J22.32 J27.7 U1.104
P6_14: J22.34 J27.8 U1.105
P6_15: J3.31 J22.36 U1.106
P7_0: J23.5 U1.8 U9.20
P7_1: J23.7 U1.9 U9.16
P7_2: J23.9 R99.2 U1.10
P7_3: J23.11 R100.2 U1.11
P7_4: J23.13 R101.2 U1.12
P7_5: J23.15 R102.2 U1.13
P7_6: J9.4 J23.17 U1.14
P7_7: J9.3 J23.19 U1.15
P8_0: J8.2 J23.23 U1.133
P8_1: J23.25 U1.134 U7.10
P8_2: J3.23 J23.27 U1.135
P8_3: J3.22 J23.29 U1.136
P8_4: J3.21 J23.31 U1.137
P8_5: J23.33 U1.173
P8_6: J23.35 R54.2 U1.172 U9.24
P9_0: J3.39 J23.8 U1.58
P9_1: J3.37 J23.10 U1.59
P9_5: J3.33 J23.12 U1.73
P9_6: J3.34 J23.14 U1.72
P9_7: J3.35 J23.16 U1.71
P9_8: J3.36 J23.18 U1.70
P27_P6: U2.6 U2.27
P39: R17.1 U2.39
P40: R14.1 U2.40
PA_0: J3.26 J23.22 U1.114
PA_1: J3.27 J23.24 U1.113
PA_8: J3.30 J23.26 U1.107
PA_9: J3.29 J23.28 U1.108
PA_10: J3.28 J23.30 U1.109
PB_0: J23.34 R122.2 U1.16 U14.4
PB_1: C103.1 C104.1 J6.1 J23.36 TP35.1 U1.17 U14.1
PMODA_VCC: C64.1 J12.11 J12.12 J13.2 R67.1
PMODB_VCC: C65.1 J14.11 J14.12 J15.2 R68.1
RE: J8.3 R44.1
READY: J8.1 U7.1
RES: R110.2 U11.93
RESET: C18.1 J2.2 J18.10 J23.6 J25.3 R7.2 R110.1 U1.67
RXD0: R58.1 R99.1 U9.13
RXD1: R59.1 R100.1 U9.12
RXD-RS232: J9.2 U7.9
RXD-RS485: J9.6 R43.1
RXM: J11.6 U9.3
RXP: J11.3 U9.4
SWCLK: R107.2 U11.30
SWDIO: R108.2 U11.28
SWO: R109.2 U11.50
TOOL0: J32.2 J32.4 J33.3 J34.5 R15.2 U2.13
TXD-RS232: J9.1 U7.11
TXD-RS485: J9.5 R45.1
TXM: J11.2 U9.5
TXP: J11.1 U9.6
USBF_N: R35.1 U1.46
USBF_P: R36.1 U1.47
USBHS_N: J6.2 U1.31 U5.3
USBHS_P: J6.3 U1.32 U5.5
XII: C61.1 U9.8 X5.1
XN: J3.10 U3.19
XOO: C62.1 U9.7 X5.3
XP: J3.12 U3.17
XTAL1: C19.1 U1.23 X1.1
XTAL2: C20.1 U1.24 X1.3
XTAL11: C80.1 R87.1 U11.13 X6.1
XTAL22: C81.1 R87.2 U11.11 X6.3
YN: J3.11 U3.20
YP: J3.9 U3.18
N242042: C22.1 U1.20 X2.1
N242094: C21.1 U1.19
N242698: C17.1 U1.62
N242726: R6.1 U1.64
N242734: R4.1 U1.65
N242878: R3.2 R5.1 U1.66
N243146: C13.2 U1.148
N243418: C23.1 U1.21 X2.2
N243434: R9.1 U1.27
N243588: J1.1 R1.2
N245158: C1.2 U1.112
N247503: R14.2 U2.11
N247585: C26.1 U2.15 X3.1
N247621: C27.1 U2.16 X3.2
N247741: C29.1 U2.20
N247801: R17.2 U2.18
N247863: R10.1 U2.48
N247867: R11.1 U2.47
N247887: R12.1 U2.46
N247935: R13.1 U2.41
N248115: C32.1 U2.32 X4.1
N248123: C33.1 R121.1 U2.33 X4.3
N248163: L2.1 L4.1 U2.30
N248215: L2.2 L3.1
N248319: ANT1.1 L3.2
N251288: J5.2 R35.2 U4.3
N251332: J5.3 R36.2 U4.5
N256768: C59.1 R50.1 U9.9
N256838: R101.1 U9.17
N257120: C54.1 C55.1 U9.1
N258949: R64.2 S3.1
N258953: R60.2 S1.1
N259639: R61.2 S2.5
N259643: R62.2 S2.4
N259647: R63.2 S2.3
N259651: R65.2 S2.2
N259671: R66.2 S2.1
N261902: R69.2 U10.2
N261966: C69.2 U10.3
N261974: R72.2 R73.1 U10.1
N261978: R70.1 R71.2 U10.5
N261998: C68.2 R71.1 R72.1
N262118: J16.3 R73.2 U10.10
N262130: J16.2 R70.2 U10.6
N262210: J16.1 U10.4 U10.8
N262816: LED2.2 R78.2
N262820: LED3.2 R79.2
N268406: C75.1 J19.2 R84.2
N268410: C75.2 J19.3 R85.2
N268414: C76.1 R84.1 U11.36
N268418: C77.1 R82.2 R85.1 U11.37
N268652: C78.1 U11.5
N268708: R82.1 U11.32
N268916: R83.2 U11.8
N276523: R114.1 U13.2
N303455: LED1.2 R77.2
N631689: C45.2 U7.4
N631711: C45.1 U7.2
N631753: C47.1 U7.5
N631757: C47.2 U7.6
N631837: C46.1 U7.3
N631950: C48.1 U7.7
N632290: J7.6 U7.8
N632294: J7.5 U7.13
N653496: J5.1 R34.2
N16083800: C58.2 J11.4
N16083932: C60.1 J11.5
N16084104: J11.9 R52.2
N16084221: J11.12 R51.2
N16122037: J3.7 R25.1
N16122041: J3.6 R24.1
N16122045: J3.5 R21.1
N16122049: J3.4 R18.1
N16125103: J10.1 R43.2
N16125111: J10.2 J10.3 R44.2
N16125121: J10.4 R45.2
N16443008: LED4.1 R90.2
N16680014: L5.1 U12.4
N16680288: R117.1 R118.2 U12.6
N16778588: Q1.1 R123.2 R124.1
N16791560: C39.1 U3.3

Pads without a net: ANT1 2; J3 51 52; J5 4; J11 7; J16 10; J17 6 7 10; J18 7; J19 4; J20 1 2 31 33 35 39 40; J21 1 2 39 40; J22 1 2 39 40; J23 1 2 20 21 32 39 40; J25 1 8; J34 6; MTG1 1; MTG2 1; NOREF#2 1; NOREF#3 1; NOREF#6 1; NOREF#8 1; NOREF#9 1; NOREF#10 1; NOREF#11 1; NOREF#12 1; NOREF#15 1; NOREF#16 1; NOREF#17 1; NOREF#18 1; NOREF#22 1; NOREF#23 1; NOREF#24 1; NOREF#25 1; U2 1 2 3 4 5 7 8 9 10 12 23 24 25 26 42 43 44 45; U3 2 4 5 12 14; U4 1 2; U5 1 2; U11 9 15 17 18 23 24 25 26 27 33 34 39 40 41 42 43 44 45 46 47 48 49 51 52 53 54 55 56 57 58 59 61 63 64 65 66 67 68 69 70 71 72 73 74 75 76 77 78 79 80 81 82 83 84 85 86 87 88 89 90 91 92 95 98 100; U12 1; U13 4

## Via types
v1: diameter 0.508, hole 0.254, TOP to BOTTOM, 863 vias
v2: diameter 0.61, hole 0.305, TOP to BOTTOM, 32 vias
